# Altium PCB Lancelot.PcbDoc (part 10 of 14) (continued)
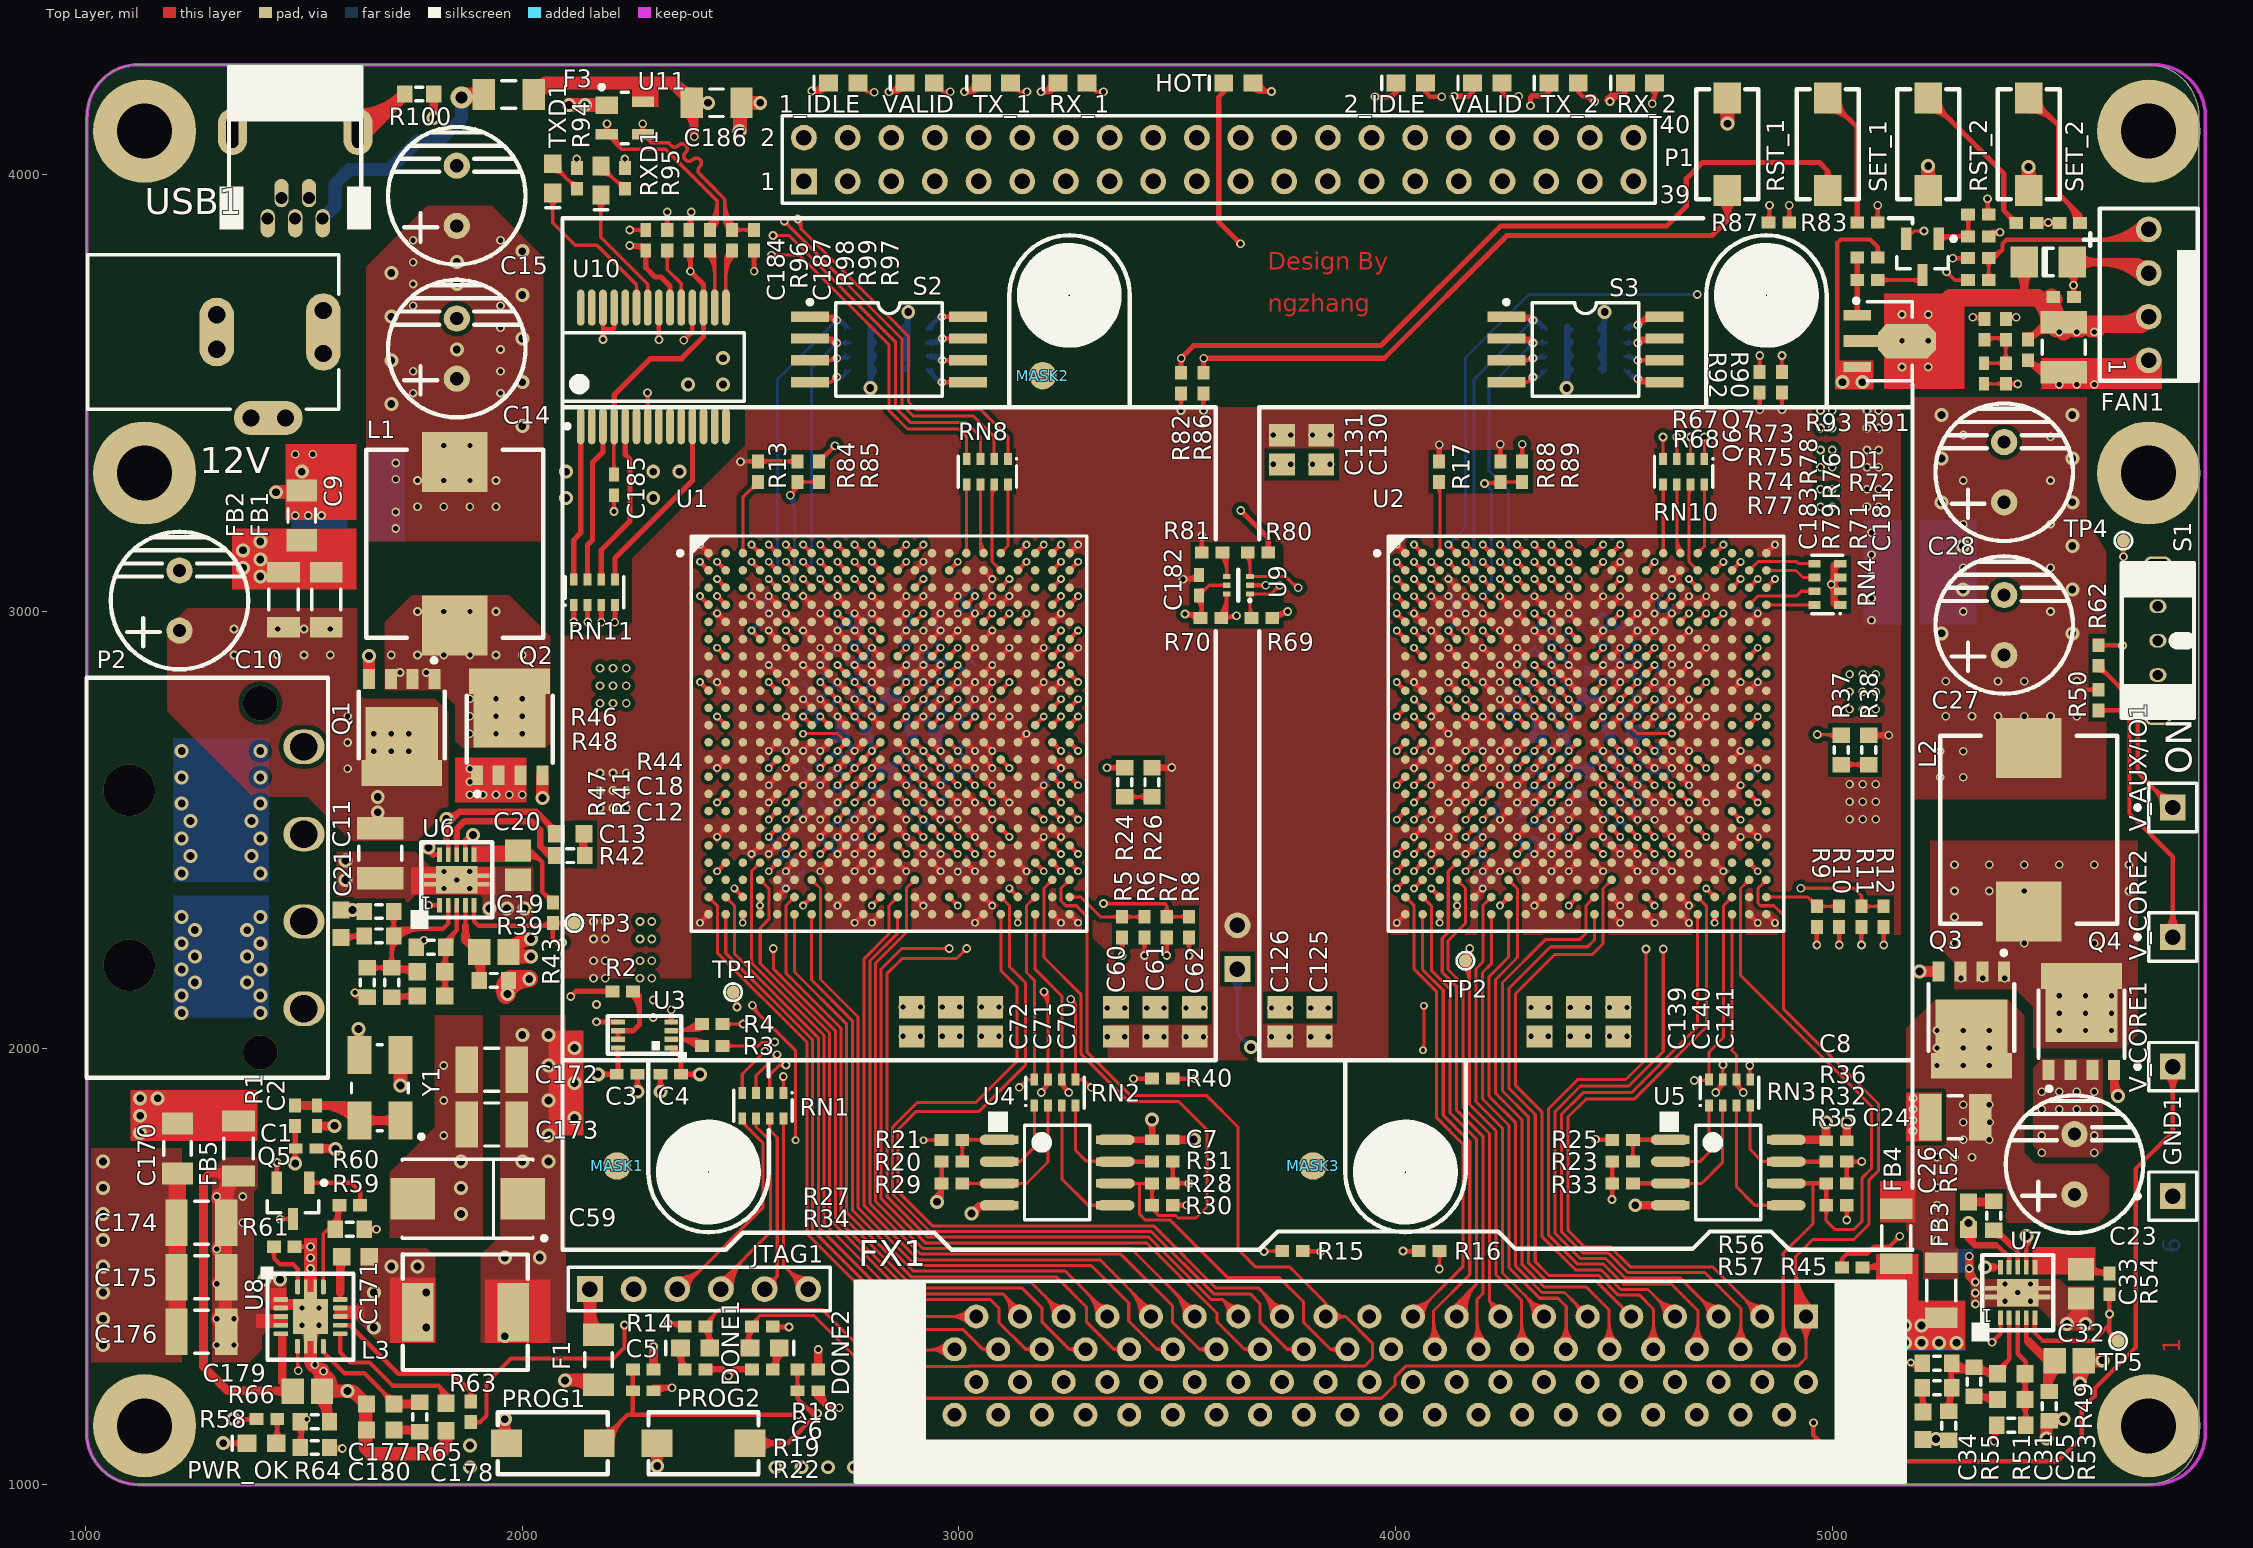
[diagram p0: Top Layer view]
## Nets (pads, with @x,y where several pads share a name; then routed paths per layer and width w, separated by ;. In a path a pad name is that pad's centre, name@x,y a point inside that pad or via, vN(x,y) a via of type N, cw(c..) or ccw(c..) an arc to the next point about the centre after c; other vN are vias at no path point) (continued)
  Mid-Layer 4 w10: v3(4760,4117) 4760,4110 4856.35,4013.65 v2(4856.35,3930.38) ; v3@4771,4117 ccw(c4814.46,4117) 4783.73,4086.27 ; v2@4852.81,3933.91 ccw(c4844.28,3942.45) 4856.35,3942.45 ccw(c4868.42,3942.45) v2@4859.88,3933.91
NetR91_2: R91.2 SET_2.2 | length 585.2
  Top Layer w12: SET_2.2@5450,4146.87 cw(c5450,4062.05) 5509.98,4122.02 ; SET_2.2@5450,4158.87 cw(c5450,4103.02) 5489.49,4142.51 ; SET_2.2@5450,4176.3 5455.7,4176.3 5519,4113 5519,3956 5567.62,3907.38 ; SET_2.2@5475.5,4172.36 ccw(c5513.78,4172.36) 5486.71,4145.29 ; 5538.69,3936.31 cw(c5492.39,3890) R91.2@5557.87,3890 ; 5559.18,3915.82 cw(c5533.36,3890) R91.2@5569.87,3890 ; R91.2@5562.44,3895.8 ccw(c5552.1,3907.38) 5567.62,3907.38 ; R91.2@5567.62,3890 5567.62,3907.38 ; R91.2@5572.8,3895.8 cw(c5583.14,3907.38) 5567.62,3907.38
NetR93_2: R93.2 RST_2.2 | length 529
  Top Layer w12: RST_2.2@5220,4146.87 cw(c5220,4075.81) 5270.25,4126.05 ; RST_2.2@5220,4158.87 cw(c5220,4116.78) RST_2.2@5249.76,4146.54 ; RST_2.2@5220,4176.3 5393,4003.3 5393,3918.38 R93.2@5421.38,3890 ; RST_2.2@5245.5,4172.36 ccw(c5297.54,4172.36) 5260.74,4135.56 ; 5404.74,3906.64 cw(c5388.1,3890) R93.2@5411.63,3890 ; R93.2@5409.49,3901.89 ccw(c5419.41,3911.81) R93.2@5419.41,3897.78
NetR94_1: R94.1 TXD1.1 | length 174.3
  Top Layer w8: TXD1.1@2070,4007.62 cw(c2070,3970.04) 2096.57,3996.61 ; TXD1.1@2070,4023.19 R94.1@2125,3968.19 ; TXD1.1@2085.69,4023.31 ccw(c2123.84,4023.31) 2096.86,3996.33 ; 2104.94,3988.24 ccw(c2125,4008.3) R94.1@2125,3979.94 ; 2109.7,3983.49 cw(c2096.36,3970.16) R94.1@2115.22,3970.16
NetR95_1: R95.1 RXD1.1 | length 188.5
  Top Layer w8: RXD1.1@2180,4002.62 cw(c2180,3960) 2210.14,3990.14 ; RXD1.1@2180,4010.62 cw(c2180,3987.32) RXD1.1@2196.48,4003.8 ; RXD1.1@2180,4020.28 R95.1@2232.09,3968.19 ; RXD1.1@2195.69,4018.31 ccw(c2228.8,4018.31) 2205.38,3994.89 ; 2209.97,3990.3 ccw(c2235,4015.33) R95.1@2235,3979.94 ; R95.1@2221.76,3978.52 cw(c2213.4,3970.16) R95.1@2225.22,3970.16
NetR96_1: R96.1 U10.19 | length 199.3
  Top Layer w8: R96.1@2325.08,3817.49 cw(c2308.39,3800.8) 2332,3800.8 cw(c2355.61,3800.8) R96.1@2338.92,3817.49 ; R96.1@2332,3826.38 2332,3783 2363.98,3751.02 U10.19@2363.98,3695.83 ; U10.19@2360.54,3731.74 ccw(c2352.25,3740.04) 2363.98,3740.04 ccw(c2375.71,3740.04) U10.19@2367.41,3731.74
NetR98_1: R98.1 U10.16 | length 250
  Top Layer w8: R98.1@2423.08,3817.49 cw(c2380.44,3774.85) 2440.75,3774.85 ; R98.1@2428.74,3823.15 cw(c2399.76,3794.17) 2440.75,3794.17 ; R98.1@2430,3826.38 2440.75,3815.63 U10.16@2440.75,3695.83 ; R98.1@2434.4,3828.81 cw(c2419.07,3813.48) R98.1@2440.75,3813.48 ; U10.16@2437.31,3731.74 ccw(c2429.02,3740.04) 2440.75,3740.04 ccw(c2452.48,3740.04) U10.16@2444.18,3731.74
NetR99_1: R99.1 U10.15 | length 274.7
  Top Layer w8: U10.15@2462.9,3731.74 ccw(c2454.61,3740.04) 2466.34,3740.04 ccw(c2478.07,3740.04) U10.15@2469.77,3731.74 ; U10.15@2466.34,3695.83 2466.34,3812.72 R99.1@2480,3826.38 ; 2466.34,3767.82 cw(c2536.59,3767.82) R99.1@2486.92,3817.49 ; 2466.34,3787.13 cw(c2517.28,3787.13) R99.1@2481.26,3823.15 ; 2466.34,3806.45 cw(c2497.96,3806.45) R99.1@2475.6,3828.81
NetR100_2: R100.2 USB1.6@1623.7,3927.18 USB1.7 | length 767.1
  Top Layer w30: USB1.7@1623.7,4098.82 1644.35,4098.82 R100.2@1730.54,4185 ; USB1.7@1623.7,4106.97 ccw(c1623.7,4176.51) 1672.87,4127.34 ; USB1.7@1623.7,4136.97 ccw(c1623.7,4278.93) R100.2@1724.08,4178.55
  Mid-Layer 1 w30: 1588,3957.53 cw(c1733.12,3957.53) USB1.7@1636.05,4065.41 ; 1588,4024.88 cw(c1672.52,4024.88) USB1.7@1615.98,4087.71 ; USB1.7@1612.32,4064.59 ccw(c1600.99,4050.13) 1588,4063.12 ; USB1.6@1622.97,3951.49 cw(c1616.68,3991.56) 1588,3962.88 ; USB1.6@1623.7,3927.18 1588,3962.88 ; USB1.7@1623.7,4098.82 1588,4063.12 ; 1588,3962.88 1588,4063.12
NetRN5_5: RN5.5 S2.8 | length 183.9
  Top Layer w10: v2(2961,3675) S2.8@3021.1,3675 ; v2@2964.54,3671.46 cw(c2973.07,3662.93) 2973.07,3675 cw(c2973.07,3687.07) v2@2964.54,3678.54 ; S2.8@2984.79,3670.18 ccw(c2973.16,3658.56) 2973.16,3675 ccw(c2973.16,3691.44) S2.8@2984.79,3679.82
  Bottom Layer w10: RN5.5@2928.53,3647.24 2956.28,3675 v2(2961,3675) ; RN5.5@2937.31,3647.24 cw(c2958.5,3647.24) 2943.52,3662.23 ; 2944.41,3663.13 cw(c2961,3646.54) v2@2961,3670
NetRN5_6: RN5.6 S2.7 | length 204.4
  Top Layer w10: v2(2962,3625) S2.7@3021.1,3625 ; v2@2965.54,3621.46 cw(c2974.07,3612.93) 2974.07,3625 cw(c2974.07,3637.07) v2@2965.54,3628.54 ; S2.7@2984.79,3620.18 ccw(c2973.16,3608.56) 2973.16,3625 ccw(c2973.16,3641.44) S2.7@2984.79,3629.82
  Bottom Layer w10: RN5.6@2936.18,3613.02 cw(c2942.76,3606.43) 2942.76,3615.75 cw(c2942.76,3625.06) RN5.6@2936.18,3618.48 ; 2952.01,3615.75 ccw(c2952.01,3634.6) v2@2965.6,3621.53 ; v2@2958.4,3628.47 cw(c2928.53,3657.18) RN5.6@2928.53,3615.75 2952.75,3615.75 v2(2962,3625)
NetRN5_7: RN5.7 S2.6 | length 204.4
  Top Layer w10: v2(2962,3575) S2.6@3021.1,3575 ; v2@2965.54,3571.46 cw(c2974.07,3562.93) 2974.07,3575 cw(c2974.07,3587.07) v2@2965.54,3578.54 ; S2.6@2984.79,3570.18 ccw(c2973.16,3558.56) 2973.16,3575 ccw(c2973.16,3591.44) S2.6@2984.79,3579.82
  Bottom Layer w10: RN5.7@2936.18,3581.52 cw(c2942.76,3574.94) 2942.76,3584.25 cw(c2942.76,3593.57) RN5.7@2936.18,3586.98 ; 2952.01,3584.25 cw(c2952.01,3565.4) v2@2965.6,3578.47 ; v2@2958.4,3571.53 ccw(c2928.53,3542.82) RN5.7@2928.53,3584.25 2952.75,3584.25 v2(2962,3575)
NetRN5_8: RN5.8 S2.5 | length 183.9
  Top Layer w10: v2(2961,3525) S2.5@3021.1,3525 ; v2@2964.54,3521.46 cw(c2973.07,3512.93) 2973.07,3525 cw(c2973.07,3537.07) v2@2964.54,3528.54 ; S2.5@2984.79,3520.18 ccw(c2973.16,3508.56) 2973.16,3525 ccw(c2973.16,3541.44) S2.5@2984.79,3529.82
  Bottom Layer w10: RN5.8@2928.53,3552.76 2956.28,3525 v2(2961,3525) ; RN5.8@2937.31,3552.76 ccw(c2958.5,3552.76) 2943.52,3537.77 ; 2944.41,3536.87 ccw(c2961,3553.46) v2@2961,3530
NetRN7_5: RN7.5 S3.8 | length 272.3
  Top Layer w10: v2@4555,3661 ccw(c4555,3673.07) 4563.54,3664.54 ccw(c4572.07,3656) v2@4560,3656 ; v2@4556.29,3660.83 ccw(c4559.42,3672.49) 4565.45,3662.04 ccw(c4571.49,3651.58) v2@4559.83,3654.71 ; 4571.98,3672.98 cw(c4584.55,3660.41) S3.8@4584.62,3678.19 ; S3.8@4584.58,3668.19 ccw(c4584.43,3626.58) v2(4555,3656) 4574,3675 S3.8@4616.1,3675
  Bottom Layer w7: RN7.5@4524.53,3647.24 4533.28,3656 v2(4555,3656) ccw(c4555,3631.18) RN7.5@4533.98,3644.39 ; RN7.5@4528.06,3648.12 cw(c4542.33,3639.14) 4542.33,3656 ; v2@4548.95,3658.37 cw(c4540.14,3661.81) 4542.59,3652.67 cw(c4545.03,3643.54) v2@4550.94,3650.92 ; v2@4550.4,3651.4 ccw(c4539.31,3640.31) 4539.31,3656 ccw(c4539.31,3671.69) v2@4550.4,3660.6
NetRN7_6: RN7.6 S3.7 | length 239.4
  Top Layer w10: v2@4551.46,3618.54 cw(c4567.07,3602.93) 4567.07,3625 ; v2(4555,3615) 4565,3625 S3.7@4616.1,3625 ; v2@4555,3620 ccw(c4555,3632.07) 4563.54,3623.54 ccw(c4572.07,3615) v2@4560,3615 ; v2@4558.54,3611.46 cw(c4591.21,3578.79) S3.7@4591.21,3625 ; S3.7@4579.79,3620.18 ccw(c4568.16,3608.56) 4568.16,3625 ccw(c4568.16,3641.44) S3.7@4579.79,3629.82
  Bottom Layer w7: RN7.6@4524.53,3615.75 4525.28,3615 v2(4555,3615) ; RN7.6@4533.24,3611.96 cw(c4540.58,3604.62) 4540.58,3615 ; RN7.6@4533.24,3619.54 ccw(c4544.19,3630.49) 4544.19,3615 ; v2@4550.4,3610.4 ccw(c4539.31,3599.31) 4539.31,3615 ccw(c4539.31,3630.69) v2@4550.4,3619.6
NetRN7_7: RN7.7 S3.6 | length 210.2
  Top Layer w10: v2(4555,3575) S3.6@4616.1,3575 ; v2@4558.54,3571.46 cw(c4567.07,3562.93) 4567.07,3575 cw(c4567.07,3587.07) v2@4558.54,3578.54 ; S3.6@4579.79,3570.18 ccw(c4568.16,3558.56) 4568.16,3575 ccw(c4568.16,3591.44) S3.6@4579.79,3579.82
  Bottom Layer w7: RN7.7@4533.24,3580.46 cw(c4542.38,3571.32) 4542.38,3584.25 cw(c4542.38,3597.19) RN7.7@4533.24,3588.04 ; RN7.7@4538.07,3584.25 cw(c4538.07,3563) v2@4555.41,3575.29 ; v2@4549.7,3571.24 ccw(c4524.53,3553.4) RN7.7@4524.53,3584.25 4545.75,3584.25 v2(4555,3575)
NetRN7_8: RN7.8 S3.5 | length 272.6
  Top Layer w10: v2@4551.46,3529.46 ccw(c4562.24,3540.24) 4562.24,3525 ; v2(4555,3533) 4563,3525 ; v2@4555.23,3528.01 cw(c4555.72,3517.72) 4563,3525 ; v2@4558.54,3536.54 ccw(c4586.38,3564.38) S3.5@4586.38,3525 ; v2@4559.99,3532.77 ccw(c4570.28,3532.28) 4563,3525 ; S3.5@4579.79,3520.18 ccw(c4568.16,3508.56) 4568.16,3525 ccw(c4568.16,3541.44) S3.5@4579.79,3529.82 ; S3.5@4616.1,3525 4563,3525
  Bottom Layer w7: RN7.8@4524.53,3552.76 4544.28,3533 ; RN7.8@4525.61,3551.67 ccw(c4555,3581.06) v2@4555,3539.5 ; RN7.8@4534.81,3552.76 ccw(c4559.62,3552.76) 4542.08,3535.21 ; 4537.56,3539.72 ccw(c4555,3557.16) v2@4555,3532.5 ; v2@4549.24,3530 ccw(c4544.28,3527.42) 4544.28,3533 ; v2@4549.24,3536 cw(c4544.28,3538.58) 4544.28,3533 ; v2(4555,3533) 4544.28,3533
PL_CTS: RN11.5 U10.11 | length 423.6
  Top Layer w12: RN11.5@2212.24,3074 2212.24,3122.24 2389.57,3299.57 U10.11@2389.57,3424.17
PL_RTS: RN11.7 U10.3 | length 366.9
  Top Layer w12: RN11.7@2149.25,3072 2149.25,3152.25 2161,3164 2161,3341 2184.84,3364.84 U10.3@2184.84,3424.17
PL_RXD: RN11.6 U10.5 | length 383.2
  Top Layer w12: RN11.6@2180.75,3073 2180.75,3140.75 2247,3207 2247,3348 2236.02,3358.98 U10.5@2236.02,3424.17
PL_TXD: RN11.8 U10.1 | length 355.8
  Top Layer w12: RN11.8@2117.76,3075 2117.76,3163.76 2133.66,3179.66 U10.1@2133.66,3424.17
PLVCC3V3: C185.2 C187.1 R97.2 U10.4 U10.17 | length 934.5
  Top Layer w8: C185.2@2204.48,3323.08 ccw(c2191.14,3336.42) 2210,3336.42 ccw(c2228.86,3336.42) C185.2@2215.52,3323.08 ; U10.4@2207,3388.26 cw(c2199.75,3381.01) 2210,3381.01 ; C185.2@2210,3313.62 2210,3423.74 U10.4@2210.43,3424.17 ; 2210,3378.92 cw(c2223.21,3378.92) U10.4@2213.87,3388.26
  Top Layer w12: U10.4@2210.43,3424.17 2210.43,3495.43 2294,3579 2365,3579 2415.16,3629.16 U10.17@2415.16,3695.83 2415.16,3748.84 v2(2385,3779) C187.1@2385,3816.38 ; C187.1@2376.89,3818.33 cw(c2357.31,3798.75) 2385,3798.75 ; R97.2@2525.5,3818.91 cw(c2512.22,3805.63) 2531,3805.63 cw(c2549.78,3805.63) R97.2@2536.5,3818.91 ; v2(2531,3779) R97.2@2531,3826.38
  Mid-Layer 4 w12: v2(2385,3779) v2(2531,3779)
PROG_B1: C5.1 FX1.40 PROG1.2 R14.2 U1.AA1 | length 2928.5
  Top Layer w7: U1.AA1@2426.61,2339.64 cw(c2426.61,2324.33) 2437.44,2335.16 cw(c2448.27,2345.98) U1.AA1@2432.96,2345.98 ; U1.AA1@2426.61,2345.98 2446.64,2325.96 2446.64,2218.36 2652,2013 2652,1574.6 2917.6,1309 2988.88,1309 FX1.40@2990,1310.12 ; 2929.22,1309 ccw(c2929.22,1370.9) FX1.40@2972.99,1327.13 ; 2934.62,1309 cw(c2934.62,1254.73) FX1.40@2972.99,1293.11 ; 2946.12,1309 ccw(c2946.12,1354) FX1.40@2977.94,1322.18 ; 2951.52,1309 cw(c2951.52,1271.63) FX1.40@2977.94,1298.06
  Top Layer w10: PROG1.2@2176.3,1095 2241.3,1160 2254,1160 ; PROG1.2@2180.24,1111.5 ccw(c2180.24,1141.82) PROG1.2@2201.68,1120.38 ; PROG1.2@2180.24,1121.5 ccw(c2180.24,1175.96) 2218.75,1137.45 ; PROG1.2@2196.73,1095 cw(c2246.06,1095) 2211.18,1129.88 ; PROG1.2@2206.73,1095 cw(c2280.2,1095) 2228.25,1146.95 ; R14.2@2247.17,1257.79 cw(c2232.18,1242.8) 2253.38,1242.8 cw(c2274.57,1242.8) R14.2@2259.59,1257.79 ; C5.1@2248.56,1210.18 cw(c2236.93,1198.56) 2253.38,1198.56 cw(c2269.82,1198.56) C5.1@2258.19,1210.18 ; C5.1@2248.56,1219.82 ccw(c2236.93,1231.44) 2253.38,1231.44 ccw(c2269.82,1231.44) C5.1@2258.19,1219.82 ; R14.2@2253.38,1271 2253.38,1160.62 2254,1160 ; v2@2628.46,1156.46 ccw(c2619.93,1147.93) 2619.93,1160 ccw(c2619.93,1172.07) v2@2628.46,1163.54 ; v2(2632,1160) 2254,1160 ; FX1.40@2988.88,1306.88 FX1.40@2988.88,1309
  Mid-Layer 4 w10: v2(2632,1160) 2782.12,1310.12 FX1.40@2990,1310.12 ; v2@2632,1165 ccw(c2632,1177.07) 2640.54,1168.54 ccw(c2649.07,1160) v2@2637,1160 ; FX1.40@2974.05,1294.17 ccw(c2935.54,1255.66) 2935.54,1310.12 ccw(c2935.54,1364.58) FX1.40@2974.05,1326.07 ; FX1.40@2981.12,1301.24 ccw(c2959.68,1279.8) 2959.68,1310.12 ccw(c2959.68,1340.44) FX1.40@2981.12,1319
PROG_B2: C6.1 FX1.19 PROG2.2 R18.2 U2.AA1 | length 3758.4
  Top Layer w7: U2.AA1@4022.61,2339.57 cw(c4022.61,2324.26) 4033.43,2335.09 cw(c4044.26,2345.91) U2.AA1@4028.95,2345.91 ; U2.AA1@4022.61,2345.91 4042.63,2325.89 4042.63,2180.6 4094.24,2128.99 4094.24,1840.08 4155,1779.33 4155,1500.12 FX1.19@4040,1385.12 ; FX1.19@4040,1402.18 ccw(c4040,1443.36) 4069.12,1414.24 ccw(c4098.24,1385.12) FX1.19@4057.06,1385.12 ; FX1.19@4040,1409.18 ccw(c4040,1467.26) 4081.07,1426.19 ccw(c4122.14,1385.12) FX1.19@4064.06,1385.12
  Top Layer w10: PROG2.2@2521.3,1095 2608,1095 v2(2676,1163) 2664,1163 ; PROG2.2@2536.9,1083.34 cw(c2565.06,1055.18) 2565.06,1095 cw(c2565.06,1134.82) PROG2.2@2536.9,1106.66 ; PROG2.2@2543.97,1076.26 cw(c2589.2,1031.03) 2589.2,1095 cw(c2589.2,1158.97) PROG2.2@2543.97,1113.74 ; R18.2@2624.17,1257.79 cw(c2609.18,1242.8) 2630.38,1242.8 cw(c2651.57,1242.8) R18.2@2636.59,1257.79 ; C6.1@2625.56,1210.18 cw(c2613.93,1198.56) 2630.38,1198.56 cw(c2646.82,1198.56) C6.1@2635.19,1210.18 ; C6.1@2625.56,1219.82 ccw(c2613.93,1231.44) 2630.38,1231.44 ccw(c2646.82,1231.44) C6.1@2635.19,1219.82 ; R18.2@2630.38,1271 2630.38,1222 2630.38,1196.62 2664,1163 ; 2646.98,1180.02 ccw(c2676,1209.04) v2@2676,1168 ; 2664.05,1162.95 ccw(c2676,1174.9) 2676,1158 ccw(c2676,1145.93) 2667.46,1154.46 ccw(c2658.93,1163) v2@2671,1163 ; v2@2672.45,1159.48 ccw(c2664,1151.1) 2664,1163 ; v2@2672.45,1166.52 cw(c2664,1174.9) 2664,1163
  Mid-Layer 4 w10: v2(2676,1163) 2768,1255 2921,1255 2944,1232 2944,1138 2967,1115 3920,1115 3941,1136 3941,1171 3990,1220 3990,1251 4040,1301 FX1.19@4040,1385.12 ; v2@2676,1168 ccw(c2676,1180.07) 2684.54,1171.54 ccw(c2693.07,1163) v2@2681,1163 ; FX1.19@4024.05,1369.17 cw(c3985.54,1330.66) 4040,1330.66 cw(c4094.46,1330.66) FX1.19@4055.95,1369.17 ; FX1.19@4031.12,1376.24 cw(c4009.68,1354.8) 4040,1354.8 cw(c4070.32,1354.8) FX1.19@4048.88,1376.24
PWR_ON: S1.2 TP4.1 U7.1 | length 2747.4
  Top Layer w10: v2(5366,1326) 5385.63,1345.63 U7.1@5385.63,1381.93 ; v2@5366,1331 ccw(c5366,1343.07) 5374.54,1334.54 ccw(c5383.07,1326) v2@5371,1326 ; TP4.1@5659.93,3154.93 cw(c5642.86,3137.86) 5667,3137.86 cw(c5691.14,3137.86) TP4.1@5674.07,3154.93 ; v2@5663.46,3128.54 ccw(c5654.93,3137.07) 5667,3137.07 ccw(c5679.07,3137.07) v2@5670.54,3128.54 ; v2(5667,3125) TP4.1@5667,3162
  Mid-Layer 4 w10: v2@5361,1326 ccw(c5348.93,1326) 5357.46,1334.54 ccw(c5366,1343.07) v2@5366,1331 ; v2(5366,1326) 5321,1371 5275,1371 5126,1520 5126,1664 5144,1682 5144,2468 5203,2527 5606.19,2527 5645.5,2566.31 5645.5,2832.5 S1.2@5746,2933 5667,3012 v2(5667,3125) ; v2@5663.46,3121.46 cw(c5654.93,3112.93) 5667,3112.93 cw(c5679.07,3112.93) v2@5670.54,3121.46 ; 5720.93,2907.93 ccw(c5695.86,2933) 5731.31,2933 ccw(c5695.86,2933) 5720.93,2958.07 ; 5730.44,2917.44 cw(c5742.06,2905.81) S1.2@5742.06,2922.25 ; 5730.44,2948.56 ccw(c5742.06,2960.19) S1.2@5742.06,2943.75
RXLED_N: RXD1.2 U10.22 | length 379.8
  Top Layer w8: RXD1.2@2168.91,3940.29 cw(c2142.13,3913.51) 2180,3913.51 cw(c2217.87,3913.51) RXD1.2@2191.09,3940.29 ; RXD1.2@2180,3953.35 2180,3857 2287.2,3749.8 U10.22@2287.2,3695.83 ; U10.22@2283.77,3731.74 ccw(c2275.48,3740.04) 2287.2,3740.04 ccw(c2298.93,3740.04) U10.22@2290.64,3731.74
SDI_A: RN2.3 U4.5 | length 364.7
  Top Layer w7: RN2.3@3231.96,1859.76 cw(c3222.81,1850.62) 3235.75,1850.62 cw(c3248.68,1850.62) RN2.3@3239.54,1859.76 ; RN2.3@3235.75,1868.47 3235.75,1700.25 3296,1640 3328.35,1640 U4.5@3331.35,1640 ; U4.5@3319.2,1635.52 ccw(c3308.38,1624.69) 3308.38,1640 ccw(c3308.38,1655.31) U4.5@3319.2,1644.48 ; U4.5@3321.49,1634.12 ccw(c3307.3,1619.94) 3307.3,1640 ccw(c3307.3,1660.06) U4.5@3321.49,1645.88
SDI_B: RN3.3 U5.5 | length 370.2
  Top Layer w7: RN3.3@4776.96,1859.76 cw(c4767.81,1850.62) 4780.75,1850.62 cw(c4793.68,1850.62) RN3.3@4784.54,1859.76 ; RN3.3@4780.75,1868.47 4780.75,1682.25 4823,1640 U5.5@4868.35,1640 U5.5@4871.35,1640 ; U5.5@4856.2,1635.52 ccw(c4845.38,1624.69) 4845.38,1640 ccw(c4845.38,1655.31) U5.5@4856.2,1644.48 ; U5.5@4858.49,1634.12 ccw(c4844.3,1619.94) 4844.3,1640 ccw(c4844.3,1660.06) U5.5@4858.49,1645.88
SDO_A: RN2.1 U4.2 | length 228.8
  Top Layer w7: U4.2@3118.65,1740 3121.65,1740 3140,1740 ; U4.2@3129.11,1734.79 cw(c3140,1726.02) 3140,1740 ; U4.2@3129.11,1745.21 ccw(c3140,1753.98) 3140,1740 ; U4.2@3131.15,1735.9 cw(c3140,1728.4) 3140,1740 ; U4.2@3131.15,1744.1 ccw(c3140,1751.6) 3140,1740 ; RN2.1@3168.97,1859.76 cw(c3159.82,1850.62) 3172.76,1850.62 cw(c3185.69,1850.62) RN2.1@3176.54,1859.76 ; RN2.1@3172.76,1868.47 3172.76,1772.76 3140,1740
SDO_B: RN3.1 U5.2 | length 251.3
  Top Layer w7: U5.2@4658.65,1740 4661.65,1740 4697,1740 4717.76,1760.76 RN3.1@4717.76,1868.47 ; U5.2@4665.51,1734.12 cw(c4679.7,1719.94) 4679.7,1740 cw(c4679.7,1760.06) U5.2@4665.51,1745.88 ; U5.2@4667.8,1735.52 cw(c4678.62,1724.69) 4678.62,1740 cw(c4678.62,1755.31) U5.2@4667.8,1744.48 ; RN3.1@4713.97,1859.76 cw(c4704.82,1850.62) 4717.76,1850.62 cw(c4730.69,1850.62) RN3.1@4721.54,1859.76
TCK: RN1.4 U1.G15 U2.G15 | length 3229.7
  Top Layer w7: RN1.4@2499.97,1906.24 ccw(c2490.82,1915.38) 2503.76,1915.38 ccw(c2516.69,1915.38) RN1.4@2507.54,1906.24 ; RN1.4@2503.76,1897.53 2503.76,1940.76 v2(2556,1993) ; v2@2549.5,1993 cw(c2533.81,1993) 2544.9,1981.9 cw(c2556,1970.81) v2@2556,1986.5
  Top Layer w10: U1.G15@2977.8,2897.17 v1(2997.48,2916.85) ; U1.G15@2977.8,2902.01 ccw(c2977.8,2913.7) 2986.06,2905.43 ccw(c2994.33,2897.17) U1.G15@2982.64,2897.17 ; v1@2993.48,2916.85 cw(c2983.82,2916.85) 2990.65,2910.02 cw(c2997.48,2903.19) v1@2997.48,2912.85 ; U2.G15@4573.79,2897.09 v1(4593.47,2916.78) ; U2.G15@4573.79,2901.94 ccw(c4573.79,2913.63) 4582.05,2905.36 ccw(c4590.32,2897.09) U2.G15@4578.63,2897.09 ; v1@4589.47,2916.78 cw(c4579.82,2916.78) 4586.64,2909.95 cw(c4593.47,2903.12) v1@4593.47,2912.78
  Mid-Layer 4 w7: v2@2551.4,1997.6 ccw(c2540.31,2008.69) 2556,2008.69 ccw(c2571.69,2008.69) v2@2560.6,1997.6 ; v2(2556,1993) 2556,2020.23 2682.86,2147.09 2682.86,2326.64 2702.2,2345.98 2820.32,2345.98 2846.5,2372.17 2846.5,2872.45 2871.05,2897 2881,2897 2881.17,2897.17 3017.17,2897.17 ; v1@2997.48,2911.35 cw(c2997.48,2898.08) 3006.87,2907.46 cw(c3016.26,2916.85) v1@3002.98,2916.85 ; v1@2997.48,2916.85 3017.17,2897.17 ; v1@4587.97,2916.78 ccw(c4574.7,2916.78) 4584.08,2926.17 ccw(c4593.47,2935.56) v1@4593.47,2922.28 ; v1(4593.47,2916.78) 4573.79,2936.46 4022.61,2936.46 3983.24,2897.09 3174.72,2897.09 3174.65,2897.17 3017.17,2897.17
TDI: RN1.2 U1.E18 | length 1780.7
  Top Layer w7: RN1.2@2562.96,1906.24 ccw(c2553.81,1915.38) 2566.75,1915.38 ccw(c2579.68,1915.38) RN1.2@2570.54,1906.24 ; RN1.2@2566.75,1897.53 2566.75,1938.75 2589,1961 ; v2@2599.26,1956.56 ccw(c2589,1946.94) 2589,1961 ; v2@2599.26,1965.44 cw(c2589,1975.06) 2589,1961 ; v2(2604,1961) 2589,1961
  Top Layer w10: U1.E18@3095.91,2975.91 v1(3115.59,2995.59) ; U1.E18@3095.91,2980.75 ccw(c3095.91,2992.44) 3104.17,2984.17 ccw(c3112.44,2975.91) U1.E18@3100.75,2975.91 ; v1@3111.59,2995.59 cw(c3101.93,2995.59) 3108.76,2988.76 cw(c3115.59,2981.93) v1@3115.59,2991.59
  Mid-Layer 4 w7: v2@2599.4,1956.4 ccw(c2588.31,1945.31) 2588.31,1961 ccw(c2588.31,1976.69) v2@2599.4,1965.6 ; v2(2604,1961) 2558,1961 2530,1989 2530,2012.62 2662.83,2145.45 2662.83,2345.98 2682.85,2366 2806.14,2366 2833.5,2393.36 2833.5,2906 2863.5,2936 3095.37,2936 3115.59,2956.22 v1(3115.59,2995.59) ; v1@3111.7,2991.7 cw(c3102.31,2982.31) 3115.59,2982.31 cw(c3128.87,2982.31) v1@3119.48,2991.7
TDO: RN1.3 U2.A19 | length 3378.8
  Top Layer w7: RN1.3@2531.46,1906.24 ccw(c2522.32,1915.38) 2535.25,1915.38 ccw(c2548.19,1915.38) RN1.3@2539.04,1906.24 ; RN1.3@2535.25,1897.53 2535.25,1936.94 v2(2583.3,1984.99) ; v2@2576.8,1984.99 cw(c2561.11,1984.99) 2572.21,1973.89 cw(c2583.3,1962.79) v2@2583.3,1978.49
  Top Layer w10: U2.A19@4731.27,3133.32 v1(4750.95,3153) ; U2.A19@4731.27,3138.16 ccw(c4731.27,3149.85) 4739.53,3141.58 ccw(c4747.8,3133.32) U2.A19@4736.11,3133.32 ; v1@4746.95,3153 cw(c4737.3,3153) 4744.13,3146.17 cw(c4750.95,3139.34) v1@4750.95,3149
  Mid-Layer 4 w7: v2(2583.3,1984.99) 2696.99,1984.99 2761,2049 4061,2049 4219.46,2207.46 4219.46,2700.24 4259,2739.79 4259,2810 4267.27,2818.27 4613.25,2818.27 4613.33,2818.35 4652.53,2818.35 4731.27,2897.09 4731.27,3133.32 v1(4750.95,3153) ; v2@2587.9,1980.39 cw(c2599,1969.29) 2599,1984.99 cw(c2599,2000.68) v2@2587.9,1989.58 ; v1@4745.45,3153 cw(c4732.18,3153) 4741.56,3143.61 cw(c4750.95,3134.22) v1@4750.95,3147.5
TMP_ALERT: R80.1 U2.C3 U9.3 | length 669.6
  Top Layer w7: R80.1@3656.08,3127.73 cw(c3630.74,3102.39) 3666.57,3102.39 ; R80.1@3661.03,3132.68 cw(c3647.64,3119.29) 3666.57,3119.29 ; 3666.57,3117.98 cw(c3680.37,3117.98) R80.1@3670.62,3127.73 ; R80.1@3666.57,3129.8 U9.3@3666.57,3079.68 3748.32,3079.68 3774,3054 3776.54,3054 v2(3777,3054.46) ; 3759.99,3068.01 ccw(c3777,3085.01) v2@3777,3060.96 ; 3768.35,3059.65 cw(c3763.16,3054.46) v2@3770.5,3054.46
  Top Layer w10: v1@4081.66,3070.26 cw(c4081.66,3060.6) 4088.49,3067.43 cw(c4095.32,3074.26) v1@4085.66,3074.26 ; v1(4081.66,3074.26) U2.C3@4101.35,3054.57 ; U2.C3@4096.5,3054.57 ccw(c4084.81,3054.57) 4093.08,3062.84 ccw(c4101.35,3071.11) U2.C3@4101.35,3059.42
  Mid-Layer 4 w7: v2(3777,3054.46) 4061.86,3054.46 v1(4081.66,3074.26) ; v2@3781.6,3049.87 cw(c3792.69,3038.77) 3792.69,3054.46 cw(c3792.69,3070.15) v2@3781.6,3059.06 ; v1@4076.16,3074.26 cw(c4062.88,3074.26) 4072.27,3064.87 cw(c4081.66,3055.48) v1@4081.66,3068.76
TMP_SCL: R69.1 U2.C1 U9.1 | length 571
  Top Layer w7: R69.1@3661.14,2992.27 ccw(c3648.02,3005.39) 3666.57,3005.39 ; R69.1@3666.57,2990.2 U9.1@3666.57,3040.32 3715.32,3040.32 v2(3735,3060) ; 3666.57,3014.25 ccw(c3697.66,3014.25) R69.1@3675.68,2992.27 ; v2@3728.5,3060 cw(c3712.81,3060) 3723.9,3048.9 cw(c3735,3037.81) v2@3735,3053.5
  Top Layer w10: v1@4002.92,3070.26 cw(c4002.92,3060.6) 4009.75,3067.43 cw(c4016.58,3074.26) v1@4006.92,3074.26 ; v1(4002.92,3074.26) U2.C1@4022.61,3054.57 ; U2.C1@4017.76,3054.57 ccw(c4006.07,3054.57) 4014.34,3062.84 ccw(c4022.61,3071.11) U2.C1@4022.61,3059.42
  Mid-Layer 4 w7: v2(3735,3060) 3749.26,3074.26 v1(4002.92,3074.26) ; v2@3735,3066.5 ccw(c3735,3082.19) 3746.1,3071.1 ccw(c3757.19,3060) v2@3741.5,3060 ; v1@3999.03,3070.37 ccw(c3989.64,3060.98) 3989.64,3074.26 ccw(c3989.64,3087.54) v1@3999.03,3078.15
TMP_SDA: R70.1 U2.E1 U9.6 | length 787.8
  Top Layer w7: R70.1@3595.32,2992.27 ccw(c3551.62,3035.97) U9.6@3613.43,3035.97 ; R70.1@3600.27,2987.32 ccw(c3568.52,3019.07) 3613.43,3019.07 ; R70.1@3600.62,2985 3605.62,2990 v2(3636,2990) ccw(c3636,2956.12) R70.1@3610.37,2978.28 ; R70.1@3605.07,2982.86 cw(c3620.69,2969.35) 3620.69,2990 ; R70.1@3605.22,2982.37 ccw(c3585.42,3002.18) 3613.43,3002.18 ; U9.6@3608.49,3038.95 cw(c3593.3,3028.52) 3611.42,3025.16 ; R70.1@3613.43,2994.8 U9.6@3613.43,3040.32 ; v2@3630.37,2993.25 cw(c3616.78,3001.1) 3620.84,2985.94 cw(c3624.9,2970.78) v2@3632.75,2984.37 ; v2@3631.4,2985.4 ccw(c3620.31,2974.31) 3620.31,2990 ccw(c3620.31,3005.69) v2@3631.4,2994.6
  Top Layer w10: v1@4002.92,2991.52 cw(c4002.92,2981.86) 4009.75,2988.69 cw(c4016.58,2995.52) v1@4006.92,2995.52 ; v1(4002.92,2995.52) U2.E1@4022.61,2975.83 ; U2.E1@4017.76,2975.83 ccw(c4006.07,2975.83) 4014.34,2984.1 ccw(c4022.61,2992.37) U2.E1@4022.61,2980.68
  Mid-Layer 4 w7: v2@3636,2983.5 cw(c3636,2967.81) 3647.1,2978.9 cw(c3658.19,2990) v2@3642.5,2990 ; v2(3636,2990) 3651,2975 3765,2975 3785.52,2995.52 v1(4002.92,2995.52) ; v1@3999.03,2991.63 ccw(c3989.64,2982.24) 3989.64,2995.52 ccw(c3989.64,3008.8) v1@3999.03,2999.41
TMS: RN1.1 U1.C18 U2.C18 | length 3780.5
  Top Layer w7: v2@2593.4,1930.4 cw(c2582.31,1919.31) 2598,1919.31 cw(c2613.69,1919.31) v2@2602.6,1930.4 ; RN1.1@2594.46,1906.24 ccw(c2585.9,1914.8) 2598,1914.8 ; 2598,1915.97 ccw(c2611.77,1915.97) RN1.1@2602.03,1906.24 ; v2(2598,1935) 2598,1897.77 RN1.1@2598.24,1897.53
  Top Layer w10: U1.C18@3095.91,3054.65 v1(3115.59,3074.33) ; U1.C18@3095.91,3059.49 ccw(c3095.91,3071.18) 3104.17,3062.91 ccw(c3112.44,3054.65) U1.C18@3100.75,3054.65 ; v1@3111.59,3074.33 cw(c3101.93,3074.33) 3108.76,3067.5 cw(c3115.59,3060.67) v1@3115.59,3070.33 ; v1@4672.21,3070.26 cw(c4672.21,3060.6) 4679.04,3067.43 cw(c4685.87,3074.26) v1@4676.21,3074.26 ; v1(4672.21,3074.26) U2.C18@4691.9,3054.57 ; U2.C18@4687.06,3054.57 ccw(c4675.36,3054.57) 4683.63,3062.84 ccw(c4691.9,3071.11) U2.C18@4691.9,3059.42
  Mid-Layer 4 w7: v2@2593.4,1930.4 ccw(c2582.31,1919.31) 2582.31,1935 ccw(c2582.31,1950.69) v2@2593.4,1939.6 ; v2(2598,1935) 2563,1935 2517,1981 2517,2018 2623.46,2124.46 2623.46,2345.98 2662.83,2385.35 2807.11,2385.35 2820.5,2398.75 2820.5,2936.75 2859.75,2976 2859.84,2975.91 3082.7,2975.91 3095.91,2989.11 3095.91,3054.65 v1(3115.59,3074.33) 3115.59,3155.82 3167.77,3208 4113,3208 4140.72,3180.28 4140.72,3065.28 4151.43,3054.57 4337.57,3054.57 4376.94,3015.2 4534.42,3015.2 4574.21,3055 4652.95,3055 v1(4672.21,3074.26) ; v1@3110.09,3074.33 cw(c3096.81,3074.33) 3106.2,3064.94 cw(c3115.59,3055.55) v1@3115.59,3068.83 ; v1@3111.7,3078.22 ccw(c3102.31,3087.61) 3115.59,3087.61 ccw(c3128.87,3087.61) v1@3119.48,3078.22 ; v1@4666.71,3074.26 cw(c4653.43,3074.26) 4662.82,3064.87 cw(c4672.21,3055.48) v1@4672.21,3068.76
TXLED_N: TXD1.2 U10.23 | length 449.2
  Top Layer w8: TXD1.2@2058.91,3945.29 cw(c2032.13,3918.51) 2070,3918.51 cw(c2107.87,3918.51) TXD1.2@2081.09,3945.29 ; TXD1.2@2070,3958.35 2070,3890 2121,3839 2171.2,3839 2261.61,3748.59 U10.23@2261.61,3695.83 ; U10.23@2258.18,3731.74 ccw(c2249.89,3740.04) 2261.61,3740.04 ccw(c2273.34,3740.04) U10.23@2265.05,3731.74
UART_CTS: RN11.4 U1.B2 | length 547.3
  Top Layer w10: v1@2446.3,3109.7 cw(c2446.3,3100.04) 2453.13,3106.87 cw(c2459.96,3113.7) v1@2450.3,3113.7 ; v1(2446.3,3113.7) U1.B2@2465.98,3094.02 ; U1.B2@2461.14,3094.02 ccw(c2449.45,3094.02) 2457.72,3102.28 ccw(c2465.98,3110.55) U1.B2@2465.98,3098.86
  Top Layer w12: v2@2209.17,2977.83 ccw(c2201.75,2985.25) 2212.24,2985.25 ; v2(2212,2975) 2212.24,2975.24 RN11.4@2212.24,3014.47
  Mid-Layer 4 w7: v2(2212,2975) 2452,2975 2465.98,2988.98 2465.98,3094.02 v1(2446.3,3113.7) ; v2@2216.6,2970.4 cw(c2227.69,2959.31) 2227.69,2975 cw(c2227.69,2990.69) v2@2216.6,2979.6 ; v1@2446.3,3108.2 cw(c2446.3,3094.92) 2455.69,3104.31 cw(c2465.08,3113.7) v1@2451.8,3113.7
UART_RTS: RN11.2 U1.D2 | length 476
  Top Layer w10: v1@2446.3,3030.96 cw(c2446.3,3021.3) 2453.13,3028.13 cw(c2459.96,3034.96) v1@2450.3,3034.96 ; v1(2446.3,3034.96) U1.D2@2465.98,3015.28 ; U1.D2@2461.14,3015.28 ccw(c2449.45,3015.28) 2457.72,3023.54 ccw(c2465.98,3031.81) U1.D2@2465.98,3020.12
  Top Layer w12: 2149.25,2987.46 ccw(c2161.46,2987.46) v2@2152.83,2978.83 ; RN11.2@2149.25,3014.47 2149.25,2976.75 v2(2150,2976)
  Mid-Layer 4 w7: v2(2150,2976) 2189.28,3015.28 2426.61,3015.28 v1(2446.3,3034.96) ; v2@2150,2982.5 ccw(c2150,2998.19) 2161.1,2987.1 ccw(c2172.19,2976) v2@2156.5,2976 ; v1@2440.8,3034.96 cw(c2427.52,3034.96) 2436.91,3025.57 cw(c2446.3,3016.19) v1@2446.3,3029.46
UART_RXD: RN11.3 U1.B1 | length 708
  Top Layer w10: v1@2406.93,3109.7 cw(c2406.93,3100.04) 2413.76,3106.87 cw(c2420.59,3113.7) v1@2410.93,3113.7 ; v1(2406.93,3113.7) U1.B1@2426.61,3094.02 ; U1.B1@2421.77,3094.02 ccw(c2410.08,3094.02) 2418.35,3102.28 ccw(c2426.61,3110.55) U1.B1@2426.61,3098.86
  Top Layer w12: 2180.75,2985.26 ccw(c2191.26,2985.26) v2@2183.83,2977.83 ; RN11.3@2180.75,3014.47 2180.75,2975.25 v2(2181,2975)
  Mid-Layer 4 w7: v2@2181,2968.5 cw(c2181,2944.54) 2197.94,2961.48 ; v2(2181,2975) 2184.42,2975 2203.92,2955.5 2220.08,2955.5 2220.58,2956 2464,2956 2486,2978 2486,3113.37 2465.98,3133.39 2426.61,3133.39 v1(2406.93,3113.7) ; v2@2187.5,2975 ccw(c2194.93,2975) 2189.68,2969.75 ; v1@2406.93,3119.2 ccw(c2406.93,3132.48) 2416.32,3123.09 ccw(c2425.7,3113.7) v1@2412.43,3113.7
UART_TXD: RN11.1 U1.D1 | length 467
  Top Layer w10: v1@2406.93,3030.96 cw(c2406.93,3021.3) 2413.76,3028.13 cw(c2420.59,3034.96) v1@2410.93,3034.96 ; v1(2406.93,3034.96) U1.D1@2426.61,3015.28 ; U1.D1@2421.77,3015.28 ccw(c2410.08,3015.28) 2418.35,3023.54 ccw(c2426.61,3031.81) U1.D1@2426.61,3020.12
  Top Layer w12: 2117.76,2986.25 ccw(c2128.25,2986.25) v2@2120.83,2978.83 ; RN11.1@2117.76,3014.47 2117.76,2976.24 v2(2118,2976)
  Mid-Layer 4 w7: v2(2118,2976) 2176.96,3034.96 v1(2406.93,3034.96) ; v2@2118,2982.5 ccw(c2118,2998.19) 2129.1,2987.1 ccw(c2140.19,2976) v2@2124.5,2976 ; v1@2403.04,3031.07 ccw(c2393.65,3021.68) 2393.65,3034.96 ccw(c2393.65,3048.24) v1@2403.04,3038.85